# Altium PCB Spektrop2_PCB_Combined_CMV4000_V2.PcbDoc (part 6 of 6) (continued)
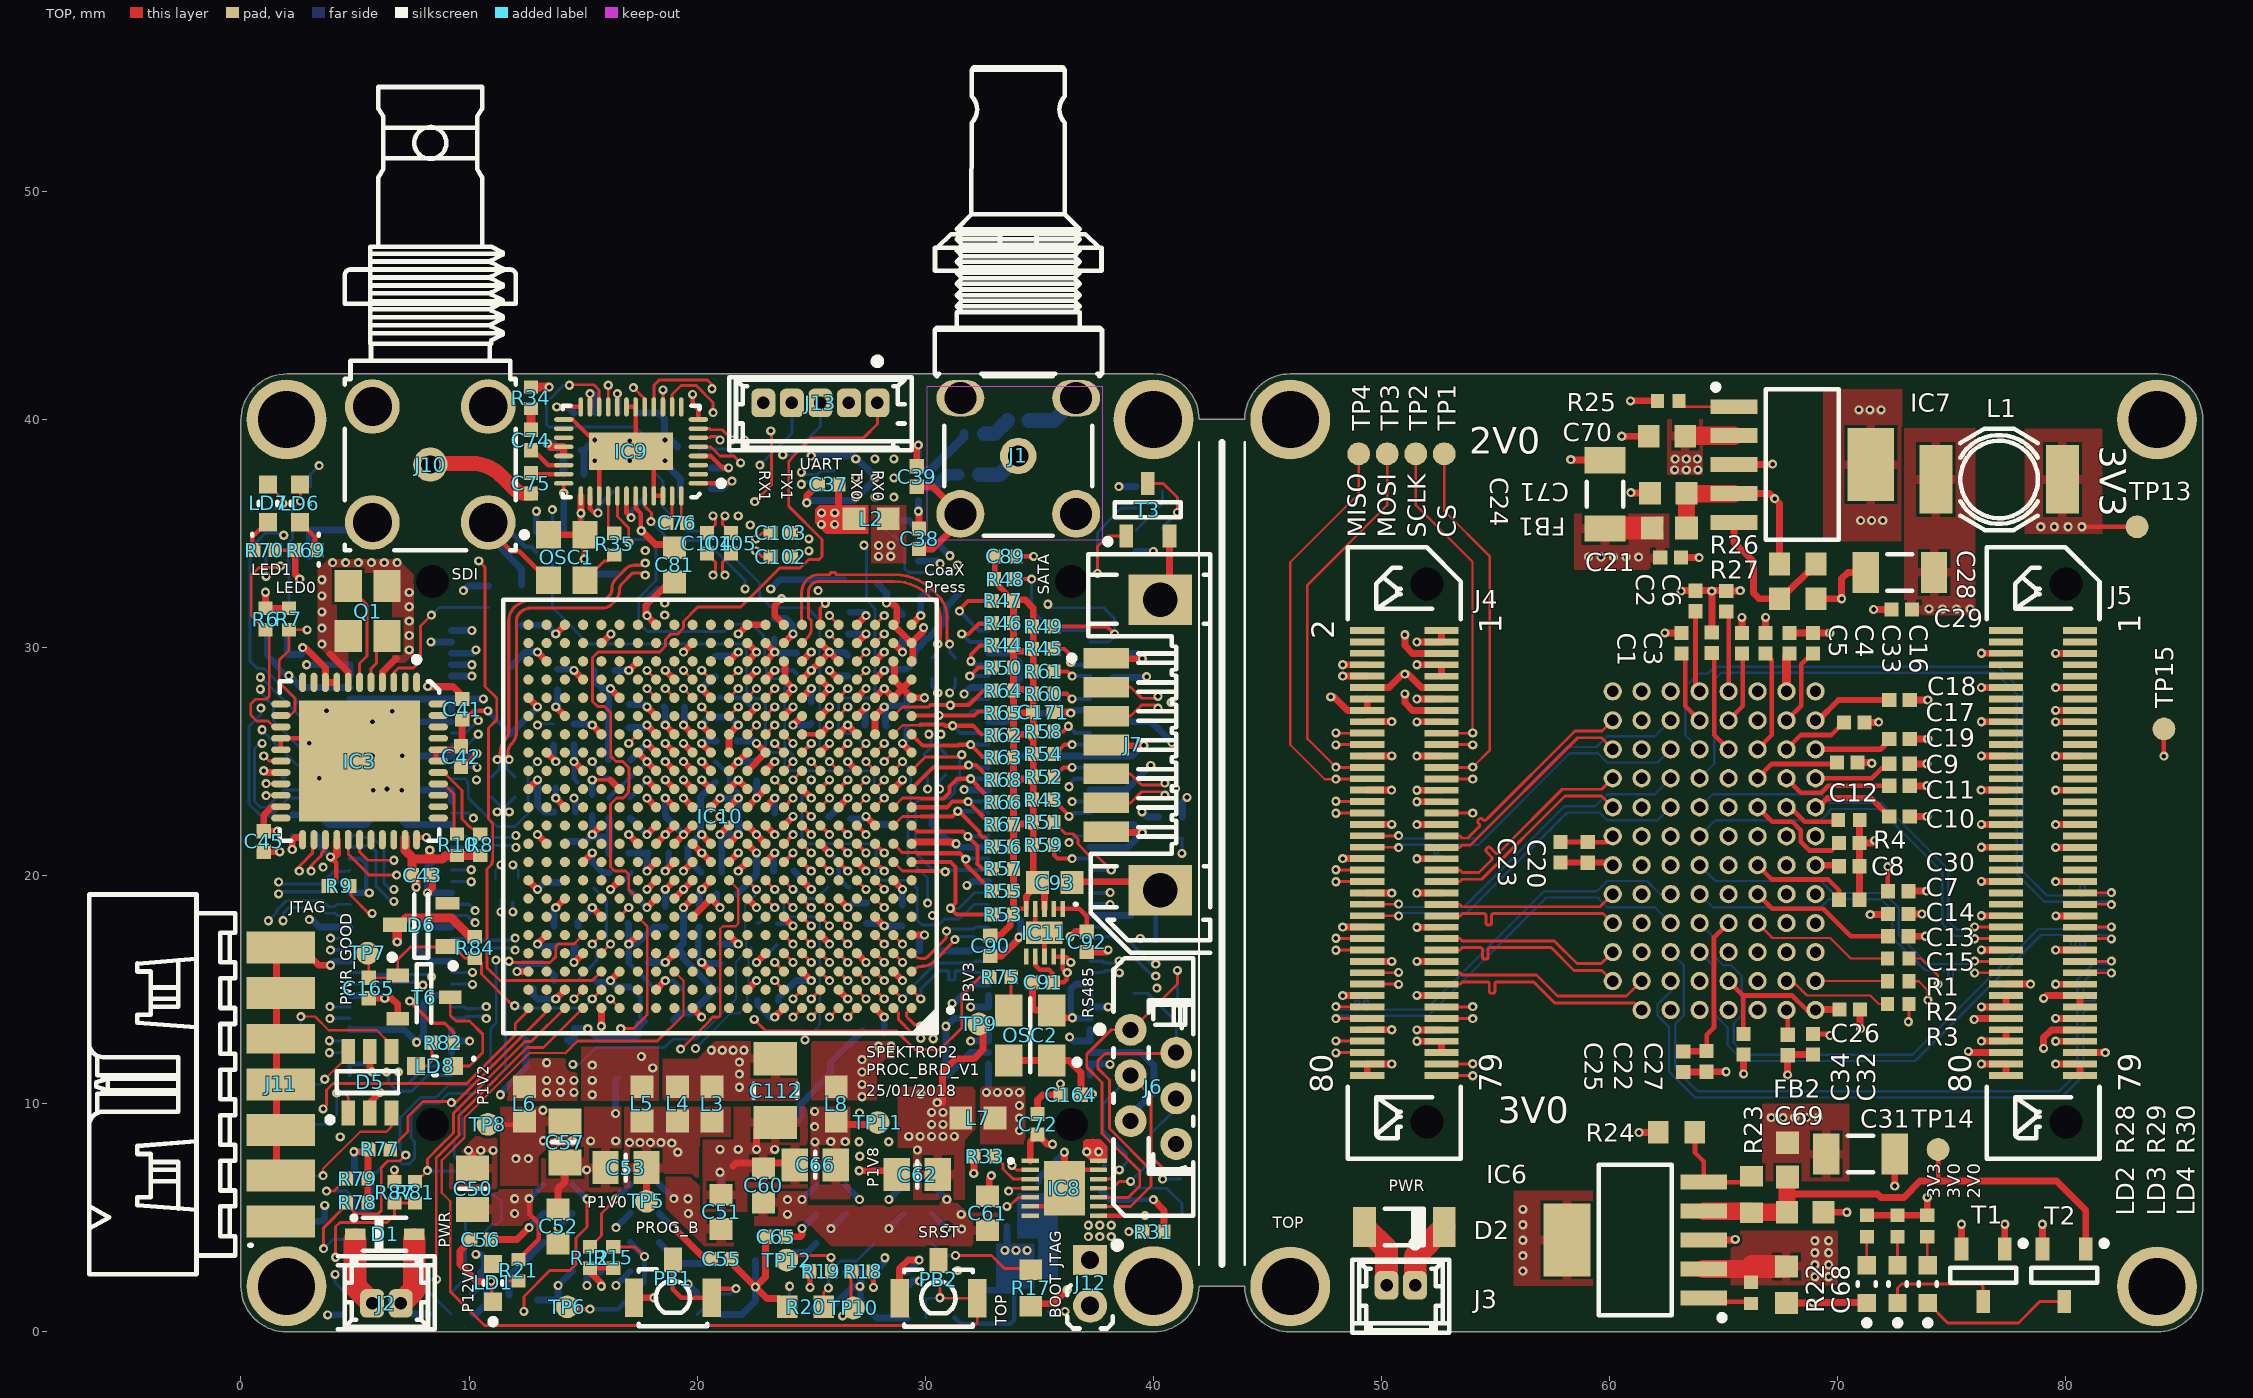
[diagram p0: TOP view]
## Polygon pours and split planes (outlines as drawn) (continued)
MGTAVCC on TOP "TOP_P1V2" (solid, remove dead copper, pour order 26): 18.315,10.125 14.925,10.125 14.925,12.5 18.315,12.5
GND on TOP "TOP_GND" (solid, remove dead copper, pour order 30): 22.2,8.425 20.24,8.425 20.24,6.523 20.24,5.26 22.2,5.26
P12V0 on TOP "TOP_P12V0" (solid, remove dead copper, pour order 44): 18.629,6.804 18.629,5.431 20.3,3.76 21.6,3.76 21.6,5.26 20.24,5.26 20.24,6.263 19.699,6.804
GND on TOP "TOP_GND" (solid, remove dead copper, pour order 66): 24.85,9.875 24.85,6.3 21.604,6.3 21.604,9.875
P1V8_L on TOP "TOP_P1V2" (solid, remove dead copper, pour order 76): 24.965,8.31 24.965,9.875 26.715,9.875 26.715,5.845 26.715,5.81 26.65,5.81 24.965,5.81
XTAL_GND on TOP "TOP_XTAL_GND" (solid, pour order 108): 4.525,28.925 3.375,30.075 3.375,33.425 3.825,33.875 6.9,33.875 7.575,33.2 7.575,29.7 7.2,29.325 6.775,29.325 6.45,29 6.1,29 6.625,29.525 6.625,32.55 5.9,33.275 4.375,33.275 4.2,33.1 4.2,30.45 4.7,29.95 4.7,28.925
P1V0 on TOP "BTM_P1V0" (solid, remove dead copper, pour order 28): 18.494,11.975 20,11.975 20.775,12.75 24.4,12.75 24.4,10.125 18.484,10.125
P1V0_L on TOP "TOP_P1V0_L" (solid, remove dead copper, pour order 102): 20.075,8.15 21.59,8.15 21.59,9.875 16.75,9.875 16.75,6.3 20.075,6.3
MGTAVTT on TOP "TOP_P1V2" (solid, remove dead copper, pour order 92): 14.75,12 14.75,10.125 11.668,10.125 11.668,10.943 12.725,12
P1V2 on TOP "TOP_P1V2" (solid, pour order 132): 27.625,36.25 27.625,33.7 29.175,33.7 29.175,36.25
P12V0 on TOP "TOP_P12V0" (solid, remove dead copper, pour order 78): 29.1,3.76 25.878,3.76 24.978,4.66 22.498,4.66 22.498,6.2 24.825,6.2 24.825,5.55 30.625,5.55 30.625,6.05 31.025,6.05 31.855,5.22 33.475,5.22 33.475,3.76 30.99,3.76
P3V3 on TOP "TOP_P3V3" (solid, pour order 136): 65.3,4.446 65.3,2.046 70,2.046 70,4.446
VDDpix on TOP "TOP_VDDPIX" (solid, pour order 138): 70.501,9.996 70.501,6.596 66.7,6.596 66.7,9.996
P3V3 on TOP "TOP_P3V3" (solid, pour order 140): 78.2,39.596 81.6,39.596 81.6,34.996 78.2,34.996
VDD33 on TOP "TOP_P3V3_L" (solid, pour order 142): 72.925,39.621 72.925,31.421 76.025,31.421 76.025,39.621
GND on TOP "TOP_GND" (solid, pour order 144): 69.375,41.321 69.375,34.671 72.875,34.671 72.825,34.721 72.825,41.321
VDD20 on TOP "TOP_VDD20" (solid, pour order 146): 58.447,35.867 62.622,35.867 62.622,33.417 58.447,33.417
P3V3 on TOP "TOP_P3V3" (solid, pour order 148): 62.522,40.017 62.522,38.492 62.522,37.567 64.072,37.567 64.072,40.017
GND on TOP "TOP_GND" (solid, pour order 150): 59.25,6.196 59.25,2.021 55.8,2.021 55.8,6.196
P1V2_F on L5 "L5_P1V2_F" (solid, pour order 112): 26.925,36.725 26.925,38.636 27.814,39.525 30.15,39.537 30.15,35.875 29.425,35.15 25.25,35.15 25.25,36.725
VCCO_13 on L5 "L5_VCCO13" (solid, pour order 90): 7.35,27.475 13.225,27.475 14.4,26.3 21.062,26.3 21.062,30.034 21.028,30 15.5,30 14.6,30.9 7.775,30.9 7.775,29.494 3.856,29.494 2.375,29.494 2.375,27.475
GND on L2 "L2_GND" (solid, pour order 118): 4.5,42 4.5,34.25 12.25,34.25 12.25,42
GND on L3-1V8 "L3_GND" (solid, pour order 154): 44.2,41.496 44.2,-0.008 85.5,-0.008 85.5,41.496
P1V8 on L3-1V8 "L3_P1V8" (solid, remove dead copper, pour order 2): -0.223,41.55 41.775,41.55 41.775,1.5 40.45,0.175 0.271,0.175
VDD20 on L3-1V8 "Top Layer-VDD20" (solid, pour order 152): 64.707,12.554 56.984,12.554 56.984,36.804 64.51,36.804 70.45,36.804 70.45,12.554
VDD33 on L4-PWR (split plane): 75.936,31.97 75.936,27.096 75.936,18.396 75.936,11.822 74.574,10.46 71.764,10.46 71.764,12.596 71.759,12.62 71.745,12.641 70.845,13.541 70.824,13.555 70.8,13.56 68.826,13.56 68.464,13.922 68.464,17.896 68.459,17.92 68.445,17.941 65.964,20.422 65.964,27.17 66.126,27.332 68.1,27.332 68.124,27.337 68.145,27.351 68.445,27.651 68.459,27.672 68.464,27.696 68.464,29.096 68.464,30.196 68.459,30.22 68.445,30.241 68.424,30.255 68.4,30.26 63.954,30.26 65.926,32.232 75.674,32.232
VDDpix on L4-PWR (split plane): 68.336,29.096 68.336,28.996 68.336,27.722 68.074,27.46 66.1,27.46 66.076,27.455 66.055,27.441 65.855,27.241 65.841,27.22 65.836,27.196 65.836,20.396 65.841,20.372 65.855,20.351 68.336,17.87 68.336,13.896 68.341,13.872 68.355,13.851 68.755,13.451 68.776,13.437 68.8,13.432 70.774,13.432 71.636,12.57 71.636,9.06 65.526,9.06 63.164,11.422 63.164,29.47 63.826,30.132 68.336,30.132
P1V0 on L4-PWR (split plane): 29.31,23.4 29.31,18.805 25.727,15.221 25.705,15.188 25.697,15.149 25.697,12.641 23.85,10.794 22.993,9.937 18.502,9.937 18.502,10.935 18.502,12.616 18.494,12.655 18.472,12.688 17.402,13.758 17.402,15.01 17.402,17.45 17.394,17.489 17.372,17.522 17.077,17.817 17.077,25.948 29.31,25.948
P3V3 on L4-PWR (split plane): 46,41.49 84,41.49 84.025,41.49 84.035,41.491 84.178,41.483 84.342,41.455 84.501,41.409 84.654,41.345 84.8,41.265 84.935,41.169 85.059,41.059 85.169,40.935 85.265,40.8 85.345,40.654 85.409,40.501 85.455,40.342 85.483,40.178 85.491,40.019 85.49,40.003 85.49,40 85.49,2 85.491,1.985 85.482,1.833 85.454,1.668 85.408,1.507 85.344,1.353 85.263,1.206 85.166,1.07 85.055,0.945 84.93,0.834 84.794,0.737 84.647,0.656 84.493,0.592 84.332,0.546 84.167,0.518 84.015,0.509 84,0.51 46,0.51 45.985,0.509 45.833,0.518 45.668,0.546 45.507,0.592 45.353,0.656 45.206,0.737 45.07,0.834 44.945,0.945 44.834,1.07 44.737,1.206 44.656,1.353 44.592,1.507 44.546,1.668 44.518,1.833 44.509,1.985 44.51,2 44.501,2.1 44.472,2.195 44.424,2.284 44.361,2.361 44.284,2.424 44.195,2.472 44.1,2.501 44,2.51 44,39.49 44.1,39.499 44.195,39.528 44.284,39.576 44.361,39.639 44.424,39.716 44.472,39.805 44.501,39.9 44.51,40 44.509,40.015 44.518,40.167 44.546,40.332 44.592,40.493 44.656,40.647 44.737,40.794 44.834,40.93 44.945,41.055 45.07,41.166 45.206,41.263 45.353,41.344 45.507,41.408 45.668,41.454 45.833,41.482 45.985,41.491
P1V2 on L4-PWR (split plane): 31.153,32.978 33.599,30.531 33.599,30.299 33.599,16.844 31.142,14.386 31.12,14.353 31.112,14.314 31.112,12.556 26.709,8.153 12.556,8.153 12.556,9.706 12.55,9.733 23.035,9.733 23.074,9.741 23.107,9.763 23.994,10.65 25.871,12.527 25.893,12.56 25.901,12.599 25.901,15.107 29.485,18.69 29.507,18.723 29.514,18.762 29.514,26.068 29.514,26.857 30.272,27.615 30.294,27.648 30.302,27.687 30.302,31.435 30.294,31.474 30.272,31.507 29.797,31.982 29.764,32.004 29.725,32.012 28.207,32.012 27.852,32.367 27.852,34.723 29.408,34.723
MGTAVCC on L4-PWR (split plane): 24.611,29.373 24.644,29.351 24.683,29.344 30.073,29.344 30.098,29.349 30.098,27.729 29.34,26.972 29.318,26.939 29.31,26.9 29.31,26.152 16.975,26.152 16.936,26.144 16.903,26.122 16.881,26.089 16.873,26.05 16.873,17.775 16.881,17.736 16.903,17.703 17.198,17.408 17.198,15.01 17.198,13.716 17.206,13.677 17.228,13.644 18.298,12.574 18.298,10.935 18.298,9.937 15.077,9.937 15.077,11.18 15.069,11.219 15.047,11.252 12.402,13.897 12.402,28.008 14.867,30.473 23.511,30.473
MGTAVTT on L4-PWR (split plane): 27.648,32.325 27.656,32.286 27.678,32.253 28.093,31.838 28.126,31.816 28.126,31.4 28.425,31.399 28.425,31.808 29.683,31.808 30.098,31.393 30.098,29.543 30.073,29.548 24.725,29.548 23.626,30.647 23.593,30.669 23.554,30.677 14.825,30.677 14.786,30.669 14.753,30.647 12.228,28.122 12.206,28.089 12.198,28.05 12.198,13.855 12.206,13.815 12.228,13.782 14.873,11.137 14.873,9.937 10.832,9.937 8.727,12.042 8.727,21.275 8.727,30.583 12.863,34.719 27.648,34.719
P3V3 on L4-PWR (split plane): 2.025,41.49 31.254,41.49 30.925,41.161 30.925,38.848 30.171,38.15 29.075,38.15 29.075,36.75 30.2,36.75 31.09,35.86 36.615,35.86 36.615,41.49 40,41.49 40.015,41.491 40.167,41.482 40.332,41.454 40.493,41.408 40.647,41.344 40.794,41.263 40.93,41.166 41.055,41.055 41.166,40.93 41.263,40.794 41.344,40.647 41.408,40.493 41.454,40.332 41.482,40.167 41.491,40.015 41.49,40 41.499,39.9 41.528,39.805 41.576,39.716 41.639,39.639 41.716,39.576 41.805,39.528 41.9,39.499 42,39.49 42,2.51 41.9,2.501 41.805,2.472 41.716,2.424 41.639,2.361 41.576,2.284 41.528,2.195 41.499,2.1 41.49,2 41.491,1.985 41.482,1.833 41.454,1.668 41.408,1.507 41.344,1.353 41.263,1.206 41.166,1.07 41.055,0.945 40.93,0.834 40.794,0.737 40.647,0.656 40.493,0.592 40.332,0.546 40.167,0.518 40.015,0.509 40,0.51 31.002,0.51 31.002,3.308 32.072,4.378 32.094,4.411 32.102,4.45 32.102,6.575 32.094,6.614 32.072,6.647 32.039,6.669 32,6.677 0.51,6.677 0.51,39.975 0.509,39.99 0.518,40.145 0.546,40.313 0.593,40.476 0.658,40.633 0.741,40.782 0.839,40.921 0.952,41.048 1.079,41.161 1.218,41.259 1.367,41.342 1.524,41.407 1.687,41.454 1.855,41.482 2.01,41.491
P12V0 on L4-PWR (split plane): 31.898,4.492 30.828,3.422 30.806,3.389 30.798,3.35 30.798,0.51 2,0.51 1.985,0.509 1.833,0.518 1.668,0.546 1.507,0.592 1.353,0.656 1.206,0.737 1.07,0.834 0.945,0.945 0.834,1.07 0.737,1.206 0.656,1.353 0.592,1.507 0.546,1.668 0.518,1.833 0.509,1.985 0.51,2 0.51,6.473 31.898,6.473
GND on L6-P2V5 (split plane): 46,41.49 84,41.49 84.025,41.49 84.035,41.491 84.178,41.483 84.342,41.455 84.501,41.409 84.654,41.345 84.8,41.265 84.935,41.169 85.059,41.059 85.169,40.935 85.265,40.8 85.345,40.654 85.409,40.501 85.455,40.342 85.483,40.178 85.491,40.019 85.49,40.003 85.49,40 85.49,2 85.491,1.985 85.482,1.833 85.454,1.668 85.408,1.507 85.344,1.353 85.263,1.206 85.166,1.07 85.055,0.945 84.93,0.834 84.794,0.737 84.647,0.656 84.493,0.592 84.332,0.546 84.167,0.518 84.015,0.509 84,0.51 46,0.51 45.985,0.509 45.833,0.518 45.668,0.546 45.507,0.592 45.353,0.656 45.206,0.737 45.07,0.834 44.945,0.945 44.834,1.07 44.737,1.206 44.656,1.353 44.592,1.507 44.546,1.668 44.518,1.833 44.509,1.985 44.51,2 44.501,2.1 44.472,2.195 44.424,2.284 44.361,2.361 44.284,2.424 44.195,2.472 44.1,2.501 44,2.51 44,39.49 44.1,39.499 44.195,39.528 44.284,39.576 44.361,39.639 44.424,39.716 44.472,39.805 44.501,39.9 44.51,40 44.509,40.015 44.518,40.167 44.546,40.332 44.592,40.493 44.656,40.647 44.737,40.794 44.834,40.93 44.945,41.055 45.07,41.166 45.206,41.263 45.353,41.344 45.507,41.408 45.668,41.454 45.833,41.482 45.985,41.491
P2V5 on L6-P2V5 (split plane): 2.025,41.49 31.254,41.49 30.925,41.161 30.925,38.848 30.171,38.15 29.075,38.15 29.075,36.75 30.2,36.75 31.09,35.86 36.615,35.86 36.615,41.49 40,41.49 40.015,41.491 40.167,41.482 40.332,41.454 40.493,41.408 40.647,41.344 40.794,41.263 40.93,41.166 41.055,41.055 41.166,40.93 41.263,40.794 41.344,40.647 41.408,40.493 41.454,40.332 41.482,40.167 41.491,40.015 41.49,40 41.499,39.9 41.528,39.805 41.576,39.716 41.639,39.639 41.716,39.576 41.805,39.528 41.9,39.499 42,39.49 42,2.51 41.9,2.501 41.805,2.472 41.716,2.424 41.639,2.361 41.576,2.284 41.528,2.195 41.499,2.1 41.49,2 41.491,1.985 41.482,1.833 41.454,1.668 41.408,1.507 41.344,1.353 41.263,1.206 41.166,1.07 41.055,0.945 40.93,0.834 40.794,0.737 40.647,0.656 40.493,0.592 40.332,0.546 40.167,0.518 40.015,0.509 40,0.51 2,0.51 1.985,0.509 1.833,0.518 1.668,0.546 1.507,0.592 1.353,0.656 1.206,0.737 1.07,0.834 0.945,0.945 0.834,1.07 0.737,1.206 0.656,1.353 0.592,1.507 0.546,1.668 0.518,1.833 0.509,1.985 0.51,2 0.51,39.975 0.509,39.99 0.518,40.145 0.546,40.313 0.593,40.476 0.658,40.633 0.741,40.782 0.839,40.921 0.952,41.048 1.079,41.161 1.218,41.259 1.367,41.342 1.524,41.407 1.687,41.454 1.855,41.482 2.01,41.491
XTAL_GND on L1-GND (split plane): 7.571,33.196 7.571,29.929 7.396,29.754 3.729,29.754 3.329,30.154 3.329,33.146 4.029,33.846 6.921,33.846
GND on L1-GND (split plane): 46,41.49 84,41.49 84.025,41.49 84.035,41.491 84.178,41.483 84.342,41.455 84.501,41.409 84.654,41.345 84.8,41.265 84.935,41.169 85.059,41.059 85.169,40.935 85.265,40.8 85.345,40.654 85.409,40.501 85.455,40.342 85.483,40.178 85.491,40.019 85.49,40.003 85.49,40 85.49,2 85.491,1.985 85.482,1.833 85.454,1.668 85.408,1.507 85.344,1.353 85.263,1.206 85.166,1.07 85.055,0.945 84.93,0.834 84.794,0.737 84.647,0.656 84.493,0.592 84.332,0.546 84.167,0.518 84.015,0.509 84,0.51 46,0.51 45.985,0.509 45.833,0.518 45.668,0.546 45.507,0.592 45.353,0.656 45.206,0.737 45.07,0.834 44.945,0.945 44.834,1.07 44.737,1.206 44.656,1.353 44.592,1.507 44.546,1.668 44.518,1.833 44.509,1.985 44.51,2 44.501,2.1 44.472,2.195 44.424,2.284 44.361,2.361 44.284,2.424 44.195,2.472 44.1,2.501 44,2.51 44,39.49 44.1,39.499 44.195,39.528 44.284,39.576 44.361,39.639 44.424,39.716 44.472,39.805 44.501,39.9 44.51,40 44.509,40.015 44.518,40.167 44.546,40.332 44.592,40.493 44.656,40.647 44.737,40.794 44.834,40.93 44.945,41.055 45.07,41.166 45.206,41.263 45.353,41.344 45.507,41.408 45.668,41.454 45.833,41.482 45.985,41.491
GND on L1-GND (split plane): 2.025,41.49 5.25,41.49 5.25,34.75 13.25,34.75 13.25,37 14.5,37 14.5,38.25 13,38.25 13,41.49 31.254,41.49 30.925,41.161 30.925,38.848 30.171,38.15 29.075,38.15 29.075,36.75 30.2,36.75 31.09,35.86 36.615,35.86 36.615,41.49 40,41.49 40.015,41.491 40.167,41.482 40.332,41.454 40.493,41.408 40.647,41.344 40.794,41.263 40.93,41.166 41.055,41.055 41.166,40.93 41.263,40.794 41.344,40.647 41.408,40.493 41.454,40.332 41.482,40.167 41.491,40.015 41.49,40 41.499,39.9 41.528,39.805 41.576,39.716 41.639,39.639 41.716,39.576 41.805,39.528 41.9,39.499 42,39.49 42,2.51 41.9,2.501 41.805,2.472 41.716,2.424 41.639,2.361 41.576,2.284 41.528,2.195 41.499,2.1 41.49,2 41.491,1.985 41.482,1.833 41.454,1.668 41.408,1.507 41.344,1.353 41.263,1.206 41.166,1.07 41.055,0.945 40.93,0.834 40.794,0.737 40.647,0.656 40.493,0.592 40.332,0.546 40.167,0.518 40.015,0.509 40,0.51 2,0.51 1.985,0.509 1.833,0.518 1.668,0.546 1.507,0.592 1.353,0.656 1.206,0.737 1.07,0.834 0.945,0.945 0.834,1.07 0.737,1.206 0.656,1.353 0.592,1.507 0.546,1.668 0.518,1.833 0.509,1.985 0.51,2 0.51,39.975 0.509,39.99 0.518,40.145 0.546,40.313 0.593,40.476 0.658,40.633 0.741,40.782 0.839,40.921 0.952,41.048 1.079,41.161 1.218,41.259 1.367,41.342 1.524,41.407 1.687,41.454 1.855,41.482 2.01,41.491

## Keep-outs
Keep-Out Layer:
  region: 30.075,41.45 37.75,41.45 37.75,34.7 30.075,34.7

## Other copper
TOP:
  region net P3V3: 37.975,7.5 37.225,7.5 36.925,7.8 36.925,8.35 37.025,8.45 37.675,8.45 37.975,8.15
  region net P1V2_F: 25.175,36.075 25.35,36.25 27.5,36.25 27.5,35 25.625,35 25.175,35.45
  text ".Layer_Name" at 177.02,29.323 h1.91 r45
  text "1" at 176.861,24.56 h2.54
L2:
  text ".Layer_Name" at 187.18,29.323 h1.91 r45
  text "3" at 186.704,24.56 h2.54
L3-1V8:
  pour cut-out: 3.275,33.875 3.275,29.5 7.525,29.5 7.525,33.875
  pour cut-out: 30.925,38.848 30.925,41.161 31.464,41.7 33.212,41.7 36.615,41.7 36.615,35.86 31.09,35.86 30.2,36.75 29.075,36.75 29.075,38.15 30.171,38.15
  text ".Layer_Name" at 192.555,30.073 h1.91 r45
  text "4" at 191.784,24.56 h2.54
L5:
  pour cut-out: 3.275,33.875 3.275,29.75 7.525,29.75 7.525,33.875
  pour cut-out: 30.925,38.848 30.925,41.161 31.464,41.7 33.212,41.7 36.615,41.7 36.615,35.86 31.09,35.86 30.2,36.75 29.175,36.75 29.175,38.15 30.171,38.15
  text ".Layer_Name" at 202.81,29.923 h1.91 r45
  text "6" at 200.98,24.51 h2.54
BTM:
  region net P2V5_R: 35.8,2.325 34.95,2.325 34.95,4.1 34.025,4.1 34.025,6.075 35.8,6.075
  region net GND: 34.775,1.925 34.775,3.875 33.1,3.875 33.1,1.825
  text ".Layer_Name" at 216.5,33.7 h1.91 r45
  text "8" at 208.775,24.5 h2.54
L1-GND (plane layer: these items are gaps in the copper):
  rectangle: 184.958,23.29 211.325,28.37
  rectangle: 174.798,23.29 179.878,28.37
  pour cut-out: 19.95,35.575 19.95,33.275 21.925,33.275 21.925,35.575
  pour cut-out: 13,38.25 14.5,38.25 14.5,37 13.25,37 13.25,34.75 5.25,34.75 5.25,41.5 13,41.5
  pour cut-out: 24.275,38.05 24.275,36.55 26.775,36.55 26.775,38.05
  pour cut-out: 30.925,38.848 30.925,41.161 31.464,41.7 33.212,41.7 36.615,41.7 36.615,35.86 31.09,35.86 30.2,36.75 29.075,36.75 29.075,38.15 30.171,38.15
  pour cut-out: 42,42 44,42 44,0 42,0
  lines w0.254: 3.2,30.1 3.675,29.625 7.45,29.625 7.7,29.875 7.7,33.25 6.975,33.975 3.975,33.975 3.2,33.2 3.2,30.1
  text ".Layer_Name" at 182.418,29.64 h1.91 r45
  text "2" at 181.624,24.56 h2.54
L4-PWR (plane layer: these items are gaps in the copper):
  pour cut-out: 28.126,31.816 28.126,31.4 28.425,31.399 28.425,31.825 28.3,31.95
  pour cut-out: 17.614,34.124 17.614,33.964 17.811,33.964 17.811,34.124
  pour cut-out: 3.275,33.875 3.275,29.7 7.525,29.7 7.525,33.875
  pour cut-out: 30.925,38.848 30.925,41.161 31.464,41.7 33.212,41.7 36.615,41.7 36.615,35.86 31.09,35.86 30.2,36.75 29.075,36.75 29.075,38.15 30.171,38.15
  pour cut-out: 42,42 44,42 44,0 42,0
  lines w0.125: 68.4,28.996 68.4,30.196 63.8,30.196 ; 68.4,29.096 68.4,27.696 68.1,27.396 66.1,27.396 65.9,27.196 65.9,20.396 68.4,17.896 68.4,13.896 68.8,13.496 70.8,13.496 71.7,12.596 71.7,8.996 65.5,8.996 63.1,11.396 63.1,29.496 63.8,30.196 ; 71.764,10.396 74.6,10.396 76,11.796 76,18.396 76,27.096 76,31.996 75.7,32.296 70.5,32.296 65.9,32.296 63.8,30.196
  lines w0.2: -0.175,6.575 12.872,6.575 32,6.575 32,4.45 30.9,3.35 30.9,0.275 32,0.275 ; 12.454,9.706 12.454,8.051 26.751,8.051 31.214,12.514 31.214,14.314 33.701,16.801 33.701,30.299 33.701,30.574 31.225,33.05 29.45,34.825 27.75,34.825 27.75,32.325 28.165,31.91 29.725,31.91 30.2,31.435 30.2,27.687 29.412,26.9 29.412,26.068 29.412,18.762 25.799,15.149 25.799,12.599 23.922,10.722 23.035,9.835 17.3,9.835 18.4,9.835 18.4,10.935 18.4,12.616 17.3,13.716 17.3,15.01 17.3,17.45 16.975,17.775 16.975,26.05 23.45,26.05 24.093,26.05 29.412,26.05 29.412,23.4 ; 14.044,9.835 17.51,9.835 ; 27.75,34.821 12.821,34.821 8.625,30.625 8.625,21.275 8.625,12 10.79,9.835 14.975,9.835 14.975,11.18 12.3,13.855 12.3,28.05 14.825,30.575 23.554,30.575 24.683,29.446 30.073,29.446 ; 31.988,0 32,0.012
  text ".Layer_Name" at 197.71,30.198 h1.91 r45
  text "5" at 196.705,24.56 h2.54
L6-P2V5 (plane layer: these items are gaps in the copper):
  rectangle: 207.748,23.39 211.24,28.47
  rectangle: 174.798,23.29 195.118,28.37
  rectangle: 200.198,23.29 203.69,28.37
  pour cut-out: 24.575,38.125 26.675,38.125 26.675,36.725 24.575,36.725
  pour cut-out: 3.275,33.875 3.275,29.5 7.525,29.5 7.525,33.775 7.425,33.875
  pour cut-out: 30.925,38.848 30.925,41.161 31.464,41.7 33.212,41.7 36.615,41.7 36.615,35.86 31.09,35.86 30.2,36.75 29.075,36.75 29.075,38.15 30.171,38.15
  pour cut-out: 42,42 44,42 44,0 42,0
  text ".Layer_Name" at 207.89,29.923 h1.91 r45
  text "7" at 205.105,24.56 h2.54

## Silkscreen, mask and mechanical layers (free items; w line width, h text height)
Top Overlay:
  pour cut-out: 37.731,41.679 37.731,34.683 30.054,34.683 30.054,41.679
  lines w0.1: 42,2.95 42,39 ; 44,2.95 44,39
  lines w0.125: 6.9,10.475 6.9,11.425 ; 6.9,11.425 ccw(c6.9,11.425) 6.9,11.425
  lines w0.2: 0.5,34.9 0.5,35 ; 3.4,33.6 3.4,33.7 ; 3.4,34.9 3.4,35
  lines w0.254: 0.4,3.8 0.45,3.8 ; 36.575,18.75 36.6,18.75
  lines w0.3: 43,2.95 43,39
  text "3V3" at 81.1,38.846 h2 r270
  text "2V0" at 53.85,38.096 h2
  text "UART" at 24.5,37.8 h0.5
  text "RX1" at 22.725,37.775 h0.5 r270
  text "TX1" at 23.675,37.775 h0.5 r270
  text "TX0" at 26.75,37.775 h0.5 r270
  text "RX0" at 27.7,37.775 h0.5 r270
  text "MISO" at 49.316,34.825 h0.8 r90
  text "MOSI" at 50.632,34.825 h0.8 r90
  text "SCLK" at 51.947,34.825 h0.8 r90
  text "CS" at 53.263,34.825 h0.8 r90
  text "LED1" at 0.45,33.175 h0.5
  text "SDI" at 9.25,32.975 h0.5
  text "CoaX / Press" at 29.95,32.4 h0.5
  text "LED0" at 1.525,32.375 h0.5
  text "SATA" at 35.425,32.325 h0.5 r90
  text ".Layer_Name" at 171.94,29.323 h1.91 r45
  text "JTAG" at 2.125,18.375 h0.5
  text "P3V3" at 32.15,14.45 h0.5 r90
  text "PWR_GOOD" at 4.85,14.325 h0.5 r90
  text "RS485" at 37.375,13.75 h0.5 r90
  text "SPEKTROP2" at 27.404,12.012 h0.5
  text "PROC_BRD_V1" at 27.404,11.252 h0.5
  text "25/01/2018" at 27.404,10.326 h0.5
  text "P1V2" at 10.867,9.942 h0.5 r90
  text "3V0" at 55.1,8.746 h2
  text "P1V8" at 27.95,6.35 h0.5 r90
  text "PWR" at 50.325,6.171 h0.5
  text "3V3" at 74.7,5.846 h1 r90
  text "3V0" at 75.575,5.846 h1 r90
  text "2V0" at 76.45,5.846 h1 r90
  text "P1V0" at 15.175,5.45 h0.5
  text "TOP" at 45.225,4.546 h0.5
  text "PROG_B" at 17.3,4.325 h0.5
  text "SRST" at 29.7,4.125 h0.5
  text "PWR" at 9.175,3.7 h0.5 r90
  text "JTAG" at 35.95,2.825 h0.5 r90
  text "P12V0" at 10.203,0.847 h0.5 r90
  text "BOOT" at 35.95,0.6 h0.5 r90
  text "TOP" at 33.575,0.275 h0.5 r90
Bottom Overlay:
  lines w0.1: 42,2.95 42,39 ; 44,2.95 44,39
  lines w0.125: 44.4,20.996 54.8,20.996 ; 65,0.396 65,10.796 ; 65,30.996 65,41.396 ; 74.8,20.996 85.2,20.996
  lines w0.254: 41.5,13.95 41.5,14
  lines w0.3: 43,2.95 43,39
  lines w1: 54.325,12.507 54.457,12.507
  text ".Layer_Name" at 232.496,44.28 h1.91 r45
  text "21/01/2018" at 55.3,32.3 h0.5 r270
  text "CMV4000" at 56.137,32.3 h0.5 r270
  text "SENSOR_BRD_V1" at 57.058,32.3 h0.5 r270
  text "SPEKTROP2" at 57.812,32.3 h0.5 r270
  text "OPTICAL" at 83.45,18.996 h2
  text "CENTER" at 83.45,17.196 h2
  text "LINE" at 83.45,15.396 h2
  text "BTM" at 32.675,5.3 h0.5 r90
  text "BTM" at 46.65,4.571 h0.5
  text "LINE" at 59.05,2.596 h2 r270
  text "CENTER" at 60.85,2.596 h2 r270
  text "OPTICAL" at 62.65,2.596 h2 r270
Top Paste:
  text ".Layer_Name" at 171.94,29.323 h1.91 r45
Bottom Paste:
  text ".Layer_Name" at 231.068,42.851 h1.91 r45
Top Solder:
  region: 7.5,19.75 7.5,19.525 7.825,19.525 7.825,19.75
  region: 6.5,6.825 6.5,7.075 6.925,7.075 6.925,6.825
  region: 1.15,23.662 1.15,23.362 1.525,23.423 1.525,23.623
  region: 1.15,24.187 1.15,23.887 1.525,23.948 1.525,24.148
  region: 36.05,16.15 36.05,15.875 36.25,15.875 36.25,16.25
  text ".Layer_Name" at 171.94,29.323 h1.91 r45
Bottom Solder:
  text ".Layer_Name" at 231.066,42.904 h1.91 r45
Mechanical 1:
  drawing of 905 lines, arcs and shapes, not listed
  text "Layer" at 175.398,132.128 h1.52
  text "Name" at 185.809,132.128 h1.52
  text "Material" at 209.425,132.128 h1.52
  text "Thickness" at 231.263,132.128 h1.52
  text "Constant" at 247.769,132.128 h1.52
  text "Board Layer Stack" at 262.243,132.128 h1.52
  text "Board Layer Stack" at 290.683,132.128 h1.52
  text "1" at 175.398,129.08 h1.52
  text "Top Overlay" at 185.809,129.08 h1.52
  text "2" at 175.398,126.032 h1.52
  text "Top Solder" at 185.809,126.032 h1.52
  text "Solder Resist" at 209.425,126.032 h1.52
  text "0.010mm" at 231.263,126.032 h1.52
  text "3.5" at 247.769,126.032 h1.52
  text "3" at 175.398,122.984 h1.52
  text "TOP" at 185.809,122.984 h1.52
  text "Copper" at 209.425,122.984 h1.52
  text "0.053mm" at 231.263,122.984 h1.52
  text "4" at 175.398,119.936 h1.52
  text "Dielectric 1" at 185.809,119.936 h1.52
  text "FR-4" at 209.425,119.936 h1.52
  text "0.110mm" at 231.263,119.936 h1.52
  text "4.2" at 247.769,119.936 h1.52
  text "5" at 175.398,116.888 h1.52
  text "L1-GND" at 185.809,116.888 h1.52
  text "Copper" at 209.425,116.888 h1.52
  text "0.018mm" at 231.263,116.888 h1.52
  text "6" at 175.398,113.84 h1.52
  text "Dielectric 3" at 185.809,113.84 h1.52
  text "0.300mm" at 231.263,113.84 h1.52
  text "4.2" at 247.769,113.84 h1.52
  text "7" at 175.398,110.792 h1.52
  text "L2" at 185.809,110.792 h1.52
  text "Copper" at 209.425,110.792 h1.52
  text "0.018mm" at 231.263,110.792 h1.52
  text "8" at 175.398,107.744 h1.52
  text "Dielectric 6" at 185.809,107.744 h1.52
  text "0.110mm" at 231.263,107.744 h1.52
  text "4.2" at 247.769,107.744 h1.52
  text "9" at 175.398,104.696 h1.52
  text "L3-1V8" at 185.809,104.696 h1.52
  text "Copper" at 209.425,104.696 h1.52
  text "0.035mm" at 231.263,104.696 h1.52
  text "10" at 175.398,101.648 h1.52
  text "Dielectric 5" at 185.809,101.648 h1.52
  text "0.300mm" at 231.263,101.648 h1.52
  text "4.2" at 247.769,101.648 h1.52
  text "11" at 175.398,98.6 h1.52
  text "L4-PWR" at 185.809,98.6 h1.52
  text "Copper" at 209.425,98.6 h1.52
  text "0.035mm" at 231.263,98.6 h1.52
  text "12" at 175.398,95.552 h1.52
  text "Dielectric 4" at 185.809,95.552 h1.52
  text "0.110mm" at 231.263,95.552 h1.52
  text "4.2" at 247.769,95.552 h1.52
  text "13" at 175.398,92.504 h1.52
  text "L5" at 185.809,92.504 h1.52
  text "Copper" at 209.425,92.504 h1.52
  text "0.018mm" at 231.263,92.504 h1.52
  text "14" at 175.398,89.456 h1.52
  text "Dielectric 7" at 185.809,89.456 h1.52
  text "0.300mm" at 231.263,89.456 h1.52
  text "4.2" at 247.769,89.456 h1.52
  text "15" at 175.398,86.408 h1.52
  text "L6-P2V5" at 185.809,86.408 h1.52
  text "Copper" at 209.425,86.408 h1.52
  text "0.018mm" at 231.263,86.408 h1.52
  text "16" at 175.398,83.36 h1.52
  text "Dielectric 8" at 185.809,83.36 h1.52
  text "0.110mm" at 231.263,83.36 h1.52
  text "4.2" at 247.769,83.36 h1.52
  text "17" at 175.398,80.312 h1.52
  text "BTM" at 185.809,80.312 h1.52
  text "Copper" at 209.425,80.312 h1.52
  text "0.053mm" at 231.263,80.312 h1.52
  text "18" at 175.398,77.264 h1.52
  text "Bottom Solder" at 185.809,77.264 h1.52
  text "Solder Resist" at 209.425,77.264 h1.52
  text "0.010mm" at 231.263,77.264 h1.52
  text "3.5" at 247.769,77.264 h1.52
  text "19" at 175.398,74.216 h1.52
  text "Bottom Overlay" at 185.809,74.216 h1.52
Mechanical 5:
  lines w0.254: 179.878,23.29 179.878,28.37 ; 184.958,23.29 184.958,28.37 ; 190.038,23.29 190.038,28.37 ; 195.118,23.29 195.118,28.37 ; 200.198,23.29 200.198,28.37 ; 203.575,23.32 203.575,28.4 ; 207.8,23.375 207.8,28.3 ; 174.798,23.29 174.798,28.37 211.275,28.37 211.275,23.29 174.798,23.29
Mechanical 6:
  lines w0.254: 176.118,53.27 227.65,53.27 ; 176.118,56.445 227.525,56.445 ; 176.118,59.62 227.525,59.62 ; 190.088,50.095 190.088,62.795 ; 176.118,50.095 227.525,50.095 227.525,62.795 176.118,62.795 176.118,50.095
  text "Number" at 177.388,60.255 h1.91
  text "SPEKTROP2_PROC_BRD_V1" at 191.358,60.255 h1.91
  text "Drawn By" at 177.388,57.08 h1.91
  text "P. ZDUNEK" at 191.358,57.08 h1.91
  text "DATE" at 177.388,53.905 h1.91
  text "01.2018" at 191.358,53.905 h1.91
  text "MOD." at 177.388,50.73 h1.91
  text "-" at 191.358,50.73 h1.91
  text "Print Date" at 177.388,47.555 h1.27
  text ".Print_Date" at 192.628,47.555 h1.27
  text ".Print_Time" at 205.328,47.555 h1.27
  text ".Print_Scale" at 177.388,45.015 h1.27
Notvisible:
  lines w0.254: 174.798,29.64 216.35,29.64 ; 177.973,29.64 185.593,37.26 ; 183.053,29.64 190.673,37.26 ; 188.133,29.64 195.753,37.26 ; 193.213,29.64 200.833,37.26 ; 198.293,29.64 205.913,37.26 ; 203.373,29.64 210.993,37.26 ; 208.698,29.715 216.318,37.335
Board Outline:
  lines w0.125: 43.999,2.001 42,2.001 cw(c39.999,2.001) 39.999,0 2,0 cw(c2,2) 0,2 0,40 cw(c2,40) 2,42 40,42 ; 44,2 ccw(c46,2) 46,0 83.999,0 ccw(c83.999,2.001) 86,2.001 86,40 ccw(c84,40) 84,42 ; 40,42 ccw(c40,42) 40,42 ; 40,42 cw(c40,40) 42,40 44,40 cw(c46,40) 46,42 84,42 ; 84,42 ccw(c84,42) 84,42

## Dimensions
42,2.001 to 0,0 on Mechanical 1
2,42 to 0.075,0 on Mechanical 1
2,2 to 2,40 on Mechanical 1
2,2 to 40,2 on Mechanical 1
86.075,1.95 to 44.075,0 on Mechanical 1
46,2 to 84,2 on Mechanical 1
86,42 to 0,40 on Mechanical 1

## Text inside footprints (layer, text, board x,y; h text height)
IC4: Mechanical 14 "E" at 18.462,9.01 h0.4 r90; Mechanical 14 "D" at 17.192,9.01 h0.4 r90; Mechanical 14 "C" at 15.922,9.01 h0.4 r90; Mechanical 14 "B" at 14.652,9.01 h0.4 r90; Mechanical 14 "A" at 13.382,9.01 h0.4 r90; Mechanical 14 "1" at 12.231,7.867 h0.4 r90; Mechanical 14 "2" at 12.231,6.597 h0.4 r90; Mechanical 14 "3" at 12.231,5.327 h0.4 r90; Mechanical 14 "4" at 12.231,4.057 h0.4 r90; Mechanical 14 "5" at 12.231,2.787 h0.4 r90
IC5: Mechanical 14 "E" at 30.427,8.97 h0.4 r90; Mechanical 14 "D" at 29.157,8.97 h0.4 r90; Mechanical 14 "C" at 27.887,8.97 h0.4 r90; Mechanical 14 "B" at 26.617,8.97 h0.4 r90; Mechanical 14 "A" at 25.347,8.97 h0.4 r90; Mechanical 14 "1" at 24.196,7.827 h0.4 r90; Mechanical 14 "2" at 24.196,6.557 h0.4 r90; Mechanical 14 "3" at 24.196,5.287 h0.4 r90; Mechanical 14 "4" at 24.196,4.017 h0.4 r90; Mechanical 14 "5" at 24.196,2.747 h0.4 r90
IC10: Mechanical 14 "17" at 16.299,12.6 h0.6 r270; Mechanical 14 "22" at 12.299,12.6 h0.6 r270; Mechanical 14 "21" at 13.099,12.6 h0.6 r270; Mechanical 14 "20" at 13.899,12.6 h0.6 r270; Mechanical 14 "19" at 14.699,12.6 h0.6 r270; Mechanical 14 "18" at 15.499,12.6 h0.6 r270; Mechanical 14 "1" at 29.099,12.6 h0.6 r270; Mechanical 14 "6" at 25.099,12.6 h0.6 r270; Mechanical 14 "7" at 24.299,12.6 h0.6 r270; Mechanical 14 "8" at 23.499,12.6 h0.6 r270; Mechanical 14 "9" at 22.699,12.6 h0.6 r270; Mechanical 14 "10" at 21.899,12.6 h0.6 r270; Mechanical 14 "11" at 21.099,12.6 h0.6 r270; Mechanical 14 "12" at 20.299,12.6 h0.6 r270; Mechanical 14 "13" at 19.499,12.6 h0.6 r270; Mechanical 14 "14" at 18.699,12.6 h0.6 r270; Mechanical 14 "15" at 17.899,12.6 h0.6 r270; Mechanical 14 "16" at 17.099,12.6 h0.6 r270; Mechanical 14 "5" at 25.899,12.6 h0.6 r270; Mechanical 14 "4" at 26.699,12.6 h0.6 r270; Mechanical 14 "3" at 27.499,12.6 h0.6 r270; Mechanical 14 "2" at 28.299,12.6 h0.6 r270; Mechanical 14 "A" at 31.399,14.5 h0.6 r180; Mechanical 14 "B" at 31.399,15.3 h0.6 r180; Mechanical 14 "C" at 31.399,16.1 h0.6 r180; Mechanical 14 "D" at 31.399,16.9 h0.6 r180; Mechanical 14 "E" at 31.399,17.7 h0.6 r180; Mechanical 14 "F" at 31.399,18.5 h0.6 r180; Mechanical 14 "G" at 31.399,19.3 h0.6 r180; Mechanical 14 "H" at 31.399,20.1 h0.6 r180; Mechanical 14 "J" at 31.399,20.9 h0.6 r180; Mechanical 14 "K" at 31.399,21.7 h0.6 r180; Mechanical 14 "L" at 31.399,22.5 h0.6 r180; Mechanical 14 "M" at 31.399,23.3 h0.6 r180; Mechanical 14 "N" at 31.399,24.1 h0.6 r180; Mechanical 14 "P" at 31.399,24.9 h0.6 r180; Mechanical 14 "R" at 31.399,25.7 h0.6 r180; Mechanical 14 "T" at 31.399,26.5 h0.6 r180; Mechanical 14 "U" at 31.399,27.3 h0.6 r180; Mechanical 14 "V" at 31.399,28.1 h0.6 r180; Mechanical 14 "W" at 31.399,28.9 h0.6 r180; Mechanical 14 "Y" at 31.399,29.7 h0.6 r180; Mechanical 14 "AA" at 31.899,30.5 h0.6 r180; Mechanical 14 "AB" at 31.899,31.3 h0.6 r180
J4: Mechanical 14 "2" at 47.931,30.375 h1 r90; Mechanical 14 "80" at 47.855,10.47 h1 r90; Mechanical 14 "1" at 55.273,30.604 h1 r90; Mechanical 14 "79" at 55.273,10.505 h1 r90; Top Overlay "2" at 47.931,30.375 h1 r90; Top Overlay "80" at 47.855,10.47 h1 r90; Top Overlay "1" at 55.273,30.604 h1 r90; Top Overlay "79" at 55.273,10.505 h1 r90
J5: Mechanical 14 "2" at 75.931,30.375 h1 r90; Mechanical 14 "80" at 75.855,10.47 h1 r90; Mechanical 14 "1" at 83.273,30.604 h1 r90; Mechanical 14 "79" at 83.273,10.505 h1 r90; Top Overlay "80" at 75.855,10.47 h1 r90; Top Overlay "1" at 83.273,30.604 h1 r90; Top Overlay "79" at 83.273,10.505 h1 r90
J8: Mechanical 14 "1" at 10.302,30.637 h1 r270; Mechanical 14 "2" at 2.702,30.52 h1 r270; Mechanical 14 "79" at 10.3,10.148 h1 r270; Mechanical 14 "80" at 2.7,10.184 h1 r270; Bottom Overlay "1" at 10.275,31.9 h1
J9: Mechanical 14 "1" at 38.302,30.637 h1 r270; Mechanical 14 "2" at 30.702,30.52 h1 r270; Mechanical 14 "79" at 38.3,10.148 h1 r270; Mechanical 14 "80" at 30.7,10.184 h1 r270; Bottom Overlay "2" at 30.702,30.52 h1 r270; Bottom Overlay "1" at 40.206,30.116 h1 r270
J10: Notvisible "3.0" at 9.5,47.624 h1.2 r270; Notvisible "2.5" at 9.5,45.124 h1.2 r270